# Altium PCB MB1842.PcbDoc (part 2 of 2) (continued)
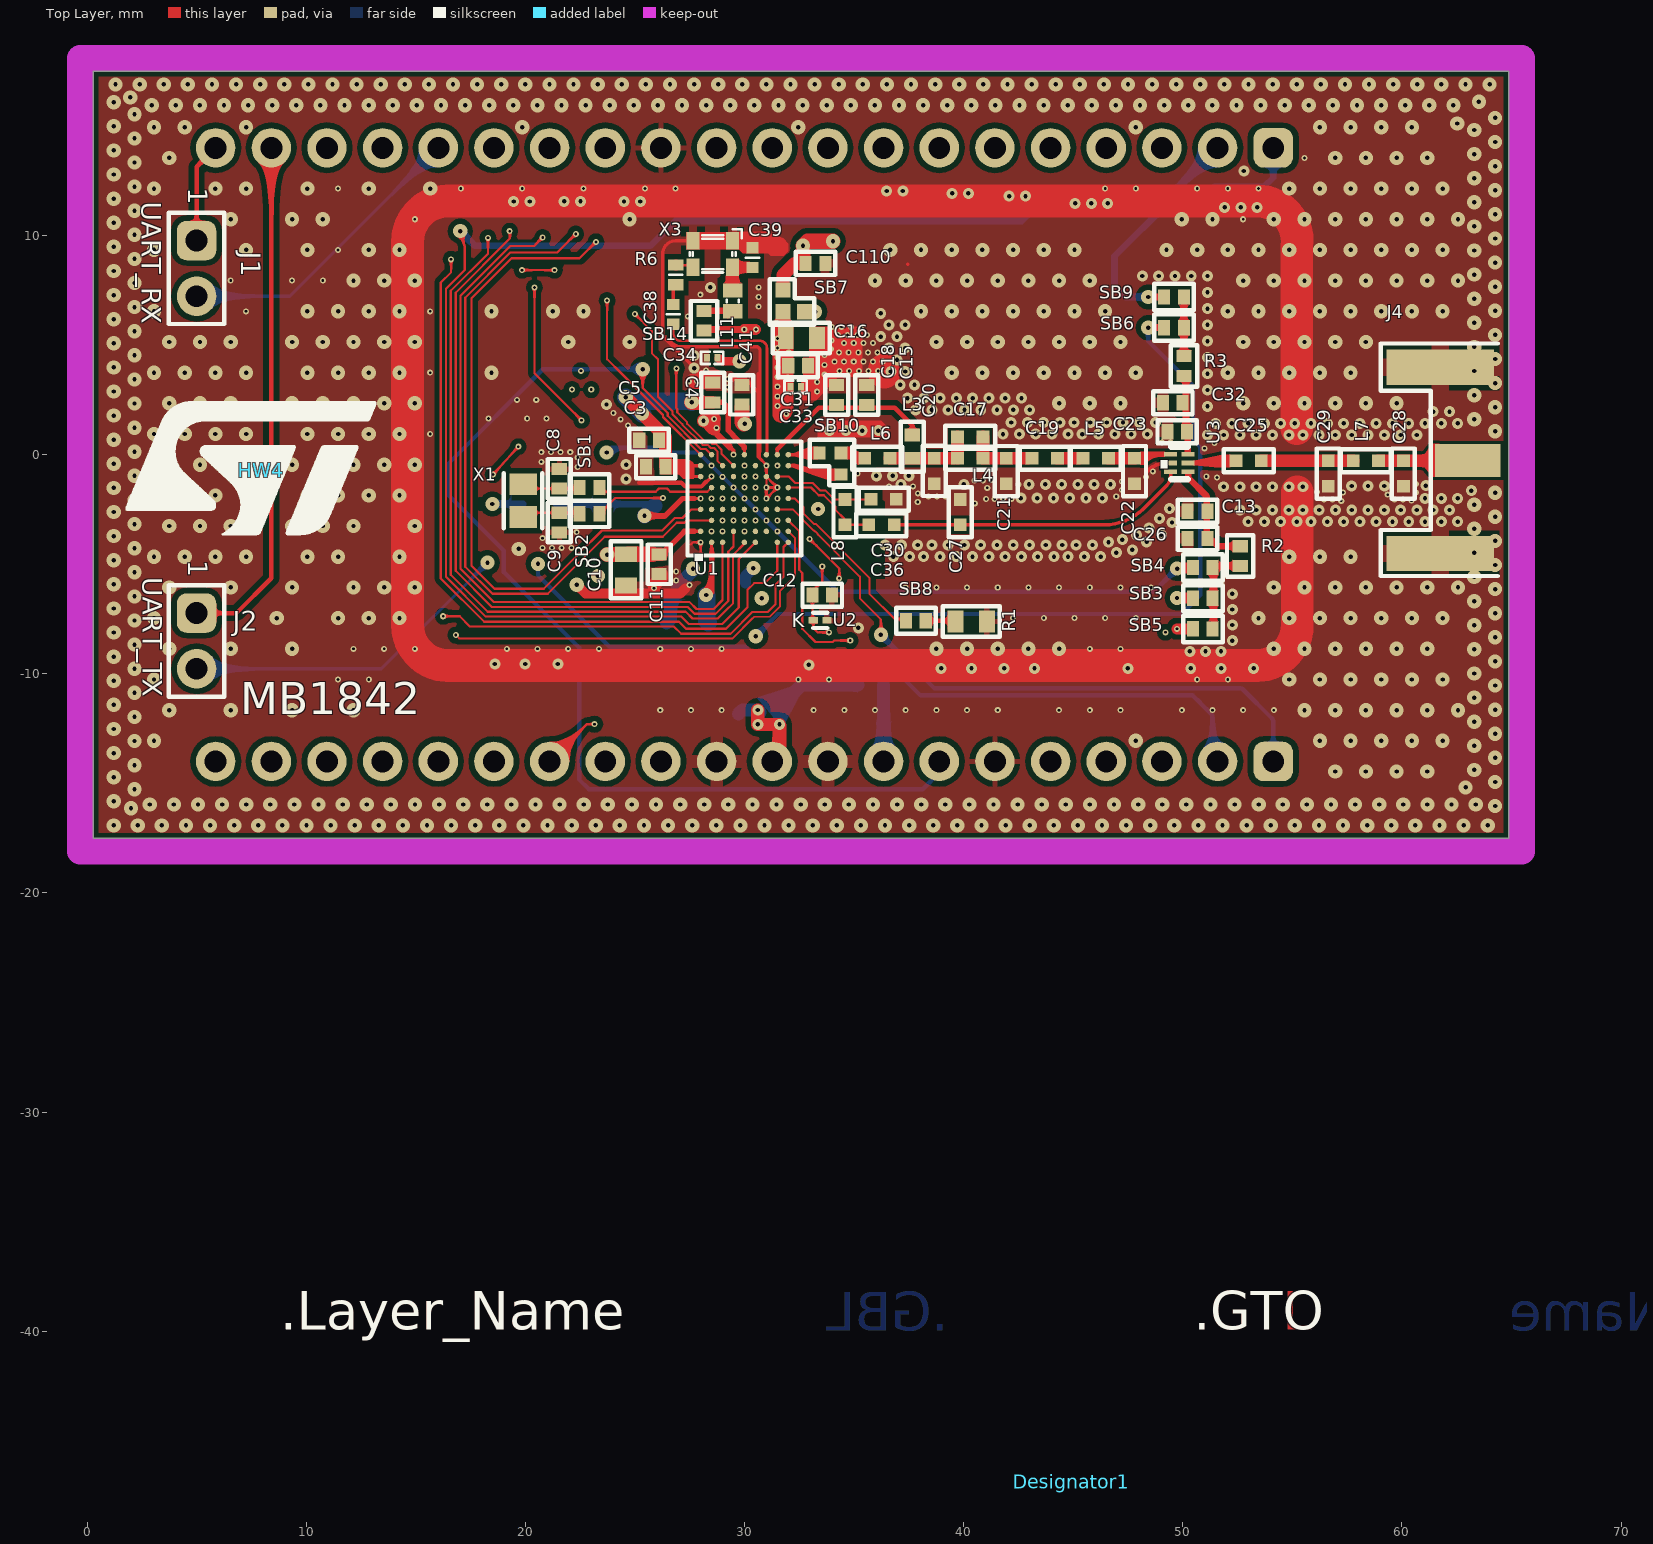
[diagram p0: Top Layer view]
## Nets (pads, with @x,y where several pads share a name; then routed paths per layer and width w, separated by ;. In a path a pad name is that pad's centre, name@x,y a point inside that pad or via, vN(x,y) a via of type N, cw(c..) or ccw(c..) an arc to the next point about the centre after c; other vN are vias at no path point) (continued)
  Bottom Layer w0.3: v1(17.028,10.201) 17.704,9.524 25.7,9.524 26.84,10.664 42.651,10.664 44.128,12.14 49.73,12.14 CN1.2@51.59,14
NetCN1_3: CN1.3 U1.D8 | length 33.9
  Top Layer w0.1: v2(26.895,3.933) 26.887,3.925 26.887,2.123 26.931,2.079 26.931,1.938 27.385,1.484 27.385,1.409 28.164,0.63 28.393,0.63 28.527,0.497 28.687,0.497 28.954,0.23 28.954,0.046 U1.D8@29.5,-0.5
  MidLayer 1 w0.1: v2(26.895,3.933) 26.895,5.073 32.364,10.542 47.566,10.542 49.05,12.026 CN1.3@49.05,14
NetCN1_4: CN1.4 U1.E7 | length 32.2
  MidLayer 1 w0.1: v2(30,-1) 29.834,-1 28.217,0.617 28.217,0.66 26.455,2.422 26.455,6.521 30.696,10.762 43.272,10.762 CN1.4@46.51,14
NetCN1_5: CN1.5 U1.E6 | length 31.7
  MidLayer 1 w0.1: v2(30,-1.5) 30,-1.434 26.419,2.147 26.235,2.331 26.235,6.771 29.901,10.437 30.452,10.988 38.058,10.988 38.06,10.99 42.963,10.99 43.907,11.934 43.907,13.937 CN1.5@43.97,14
NetCN1_6: CN1.6 U1.B8 | length 27.8
  MidLayer 1 w0.1: v2(28.5,-0.5) 27.431,0.569 27.431,0.75 26.015,2.166 26.015,6.876 30.347,11.208 37.967,11.208 37.969,11.21 40.426,11.21 41.43,12.214 CN1.6@41.43,14
NetCN1_7: CN1.7 U1.C8 | length 27.6
  Top Layer w0.09: v2(24.998,6.424) 25.78,5.642 25.78,4.63 26.055,4.355 26.055,2.651 26.716,1.99 26.716,1.849 27.17,1.395 27.17,1.362 28.088,0.445 28.317,0.445 28.45,0.312 28.611,0.312 28.769,0.153 28.769,-0.269 U1.C8@29,-0.5
  MidLayer 1 w0.09: v2(24.998,6.424) 24.998,7.576 28.845,11.423 37.878,11.423 37.88,11.425 38.114,11.425 38.89,12.201 CN1.7@38.89,14
NetCN1_8: CN1.8 U1.A9 | length 24.6
  Top Layer w0.1: v2(23.733,7.031) 23.733,4.358 24.387,3.705 26.281,1.81 26.281,1.719 U1.A9@28,0
  MidLayer 1 w0.1: v2(23.733,7.031) 28.359,11.657 29.55,11.657 29.553,11.661 34.547,11.661 36.35,13.464 CN1.8@36.35,14
NetCN1_9: CN1.9 J2.2 U1.C3 | length 59.1
  Top Layer w0.1: v2(19.85,8.42) v2(21.331,8.42)
  MidLayer 1 w0.1: v2(19.85,8.42) 19.85,5.25 19.096,4.496 19.096,-0.449 19.291,-0.644 19.291,-2.707 18.275,-3.724 v1(18.275,-4.925) 20.519,-7.169 23.36,-7.169 26.504,-4.025 27.375,-4.025 28.4,-3 v2(29,-3) ; v2(21.331,8.42) 21.9,8.989 24.955,8.989 27.844,11.877 29.459,11.877 29.462,11.881 31.74,11.881 33.81,13.951 CN1.9@33.81,14
  Bottom Layer w0.15: J2.2@5,-9.77 13.43,-9.77 v1(18.275,-4.925)
NetCN1_10: CN1.10 U1.C7 | length 28.6
  Top Layer w0.1: v2(20.418,7.624) 20.418,3.718 v2(22.567,1.569) ; U1.C7@28.987,-1.013 28.993,-1.013 v2(28.997,-1.009) U1.C7@29,-1.006
  MidLayer 1 w0.09: v2@28.997,-1.054 v2(28.997,-1.009)
  MidLayer 1 w0.1: v2(20.418,7.624) 20.418,8.22 21.423,9.225 24.596,9.225 27.468,12.097 29.367,12.097 CN1.10@31.27,14 ; v2(22.567,1.569) 23.016,1.12 24.228,1.12 24.477,0.87 24.852,0.87 24.969,0.87 25.42,0.419 25.42,0.302 26.142,-0.42 26.27,-0.42 27.125,-1.275 28.383,-1.275 28.385,-1.278 28.615,-1.278 28.617,-1.275 28.776,-1.275 v2@28.997,-1.054
NetCN1_13: CN1.13 U1.B3 | length 36.2
  Top Layer w0.1: v2(22.303,10.066) 21.462,9.225 19.32,9.225 17.262,7.167 17.262,-5.112 18.5,-6.35 21.023,-6.35 23.629,-3.744 26.279,-3.744 26.912,-3.111 27.266,-3.111 27.377,-3 U1.B3@28.5,-3
  MidLayer 1 w0.1: v2(22.303,10.066) 23.65,11.413 CN1.13@23.65,14
NetCN1_14: CN1.14 U1.C1 | length 37.2
  Top Layer w0.1: v2@20.79,9.905 20.409,9.524 19.308,9.524 17.042,7.258 17.042,-5.203 18.568,-6.729 27.499,-6.729 27.809,-7.039 28.593,-7.039 29,-6.632 U1.C1@29,-4
  MidLayer 1 w0.1: v2(20.792,9.908) 20.792,13.682 CN1.14@21.11,14 CN1.14@21.11,13.835
NetCN1_15: CN1.15 U1.D2 | length 37.4
  Top Layer w0.1: v2@19.297,10.164 19.297,9.864 16.822,7.389 16.822,-5.303 18.468,-6.949 27.408,-6.949 27.718,-7.259 28.684,-7.259 29.264,-6.68 29.264,-4.431 29.5,-4.195 U1.D2@29.5,-3.5
  MidLayer 1 w0.1: CN1.15@18.57,14 18.877,13.693 18.877,10.609 v2(19.289,10.197)
NetCN1_16: CN1.16 J1.2 U1.E1 | length 52.1
  Top Layer w0.1: CN1.16@15.909,13.879 CN1.16@16.03,14 ; v2(18.295,9.897) 18.295,9.173 16.602,7.48 16.602,-5.483 18.288,-7.169 27.317,-7.169 27.627,-7.479 28.775,-7.479 29.158,-7.096 29.162,-7.096 29.484,-6.775 29.484,-4.566 U1.E1@30,-4.05
  MidLayer 1 w0.1: CN1.16@16.03,14 18.011,12.019 18.011,10.181 v2(18.295,9.897)
  Bottom Layer w0.15: J1.2@5,7.23 9.26,7.23 CN1.16@16.03,14
NetCN1_17: CN1.17 U1.H1 | length 40.3
  Top Layer w0.1: v2@16.616,8.911 16.616,8.33 16.144,7.859 16.144,-5.648 18.123,-7.626 27.012,-7.626 27.334,-7.948 29.157,-7.948 30.14,-6.965 30.14,-6.165 30.444,-5.861 30.933,-5.861 31.5,-5.294 U1.H1@31.5,-4
  MidLayer 1 w0.1: CN1.17@13.49,14 13.49,13.287 13.59,13.187 13.59,12.954 15.959,10.584 15.959,9.568 v2(16.614,8.914)
NetCN1_18: CN1.18 U1.A4 | length 48.5
  Top Layer w0.1: v2(23.221,9.708) 22.475,8.962 19.368,8.962 17.541,7.134 17.541,-5.067 17.778,-5.305 ccw(c18.275,-4.925) 17.895,-5.422 18.596,-6.122 20.84,-6.122 22.35,-4.613 ccw(c22.103,-4.252) 22.464,-4.498 23.504,-3.459 26.252,-3.459 26.82,-2.891 27.175,-2.891 27.565,-2.5 U1.A4@28,-2.5
  MidLayer 1 w0.1: CN1.18@10.95,14 10.805,13.855 10.805,11.771 11.431,11.146 13.837,11.146 14.986,9.997 14.986,9.489 16.38,8.095 18.596,8.095 19.955,9.453 22.966,9.453 v2(23.221,9.708) v2@23.222,9.706
NetCN1_19: CN1.19 J2.1 | length 23.7
  Top Layer w0.2: J2.1@5,-7.23 6.822,-7.23 8.41,-5.642 CN1.19@8.41,14
NetCN1_20: CN1.20 J1.1 | length 4.6
  Top Layer w0.2: J1.1@5,9.77 5,13.13 CN1.20@5.87,14
NetCN2_1: CN2.1 U1.H4 | length 29.5
  Top Layer w0.09: U1.H4@31.5,-2.5 32.208,-2.5 33.171,-3.463 cw(c32.975,-3.848) 33.36,-3.652 35.269,-5.561 35.269,-6.562 36.227,-7.52 v1(36.227,-8.22)
  Bottom Layer w0.2: v1(36.227,-8.22) 38.673,-10.666 52.62,-10.666 cw(c52.62,-10.866) 52.762,-10.725 54.071,-12.034 cw(c53.93,-12.176) 54.13,-12.176 CN2.1@54.13,-14
NetCN2_2: CN2.2 U1.E5 | length 46.8
  MidLayer 1 w0.1: v1(20.578,-4.985) 22.082,-4.985 23.4,-3.667 27.333,-3.667 28.3,-2.7 29.3,-2.7 v2(30,-2)
  Bottom Layer w0.2: v1(20.578,-4.985) 20.578,-5.507 23.838,-8.768 30.042,-8.768 30.235,-8.96 36.011,-8.96 38.036,-10.986 50.459,-10.986 50.799,-11.326 cw(c50.658,-11.468) 50.8,-11.327 51.301,-11.828 cw(c51.16,-11.969) 51.36,-11.969 51.36,-13.77 CN2.2@51.59,-14
NetCN2_3: CN2.3 SB5.1 | length 7.3
  Top Layer w0.5: v2(49.738,-7.945) 50.461,-7.945 SB5.1@50.467,-7.952
  MidLayer 1 w0.3: CN2.3@49.05,-14 49.05,-8.263
  MidLayer 1 w0.4: 49.05,-8.263 v2(49.209,-8.104) 49.368,-7.945 v2(49.738,-7.945)
NetCN2_4: CN2.4 U1.J3 | length 23.5
  Top Layer w0.1: U1.J3@32,-3 32.5,-3.5 32.5,-3.738 ; 32.501,-3.739 32.501,-5.258 32.642,-5.399 32.642,-7.946 33.241,-8.545 33.672,-8.545 34.034,-8.545 34.098,-8.482 v2(34.828,-8.482)
  MidLayer 1 w0.1: v2(34.828,-8.482) 34.828,-9.481 36.03,-10.683 45.433,-10.683 46.51,-11.76 CN2.4@46.51,-14
NetCN2_7: CN2.7 U1.B9 | length 50.4
  Top Layer w0.1: v1(25.359,3.901) 25.359,3.044 26.501,1.901 26.501,1.77 28.011,0.26 28.24,0.26 U1.B9@28.5,0
  Bottom Layer w0.2: v1(25.359,3.901) 23.241,3.901 20.799,3.901 16.468,-0.43 16.468,-1.83 19.025,-4.387 19.025,-5.37 22.456,-8.801 22.456,-14.823 22.902,-15.27 38.137,-15.27 38.904,-14.503 38.88,-14.48 38.88,-14.09 38.89,-14.08 CN2.7@38.89,-14
NetCN2_12: CN2.12 U1.D6 | length 56.4
  Top Layer w0.1: v2(18.529,-0.906) v2(19.681,0.365)
  MidLayer 1 w0.1: v2(18.529,-0.906) 16.174,-0.906 4.066,-13.014 4.066,-14.12 5.016,-15.07 25.079,-15.07 ccw(c25.079,-14.97) 25.15,-15.04 CN2.12@26.19,-14 ; v2(19.681,0.365) 20.216,0.9 24.127,0.9 24.377,0.65 24.878,0.65 25.2,0.328 25.2,0.269 25.2,0.197 26.037,-0.64 26.109,-0.64 26.126,-0.64 26.961,-1.475 29.475,-1.475 v2(29.5,-1.5)
NetCN2_13: CN2.13 U1.F4 | length 20.8
  Top Layer w0.1: v2(32.975,-3.848) 34.323,-5.197 v2(34.323,-5.64)
  MidLayer 1 w0.1: CN2.13@23.65,-14 23.65,-12.7 26.05,-10.3 30.873,-10.3 34.223,-6.949 34.223,-5.74 ; v2(30.5,-2.5) 30.65,-2.65 31.776,-2.65 v2(32.975,-3.848)
NetCN2_14: CN2.14 U1.H3 | length 19.9
  Top Layer w0.09: CN2.14@21.163,-13.947 22.818,-12.292 23.157,-12.292 v2(23.157,-12.298)
  MidLayer 1 w0.1: v2(23.157,-12.298) 23.684,-12.298 25.955,-10.026 30.836,-10.026 33.074,-7.788 33.074,-4.574 v2(31.5,-3)
NetCN2_15: CN2.15 U1.H2 | length 21.6
  MidLayer 1 w0.1: CN2.15@18.57,-14 20.71,-11.86 23.726,-11.86 25.826,-9.76 30.786,-9.76 32.746,-7.799 32.746,-4.746 31.853,-3.853 v2(31.5,-3.5)
NetCN2_16: CN2.16 U1.G3 | length 24.4
  MidLayer 1 w0.1: CN2.16@16.03,-14 18.797,-11.233 23.933,-11.233 25.712,-9.454 30.78,-9.454 32.526,-7.708 32.526,-4.938 31,-3.412 v2(31,-3)
NetCN2_17: CN2.17 U1.D3 | length 23.2
  MidLayer 1 w0.1: CN2.17@13.49,-14 16.6,-10.89 22.476,-10.89 24.966,-8.4 28.55,-8.4 29.1,-7.85 29.1,-4 29.35,-3.75 29.35,-3.4 29.5,-3.25 v2(29.5,-3)
NetCN2_18: CN2.18 U1.C2 | length 24.8
  MidLayer 1 w0.1: CN2.18@10.95,-14 14.529,-10.421 22.563,-10.421 24.854,-8.13 28.45,-8.13 28.85,-7.73 28.85,-3.85 29,-3.7 v2(29,-3.5)
NetCN2_19: CN2.19 U1.J1 | length 34.2
  Top Layer w0.1: v2(16.253,-7.373) 17.006,-7.373 17.48,-7.846 26.788,-7.846 27.11,-8.168 29.369,-8.168 30.356,-7.181 31.057,-7.181 31.416,-6.822 31.416,-5.942 31.784,-5.574 31.784,-4.216 U1.J1@32,-4
  MidLayer 1 w0.1: CN2.19@8.41,-14 12.781,-9.629 17.474,-9.629 18.195,-8.908 18.195,-7.792 17.777,-7.373 v2(16.253,-7.373)
NetCN2_20: CN2.20 U1.J2 | length 32.7
  Top Layer w0.09: v2(16.828,-8.234) 16.977,-8.383 29.458,-8.383 30.367,-7.475 30.369,-7.475 30.447,-7.396 31.146,-7.396 31.631,-6.911 31.631,-6.212 32.316,-5.527 32.316,-3.816 U1.J2@32,-3.5
  MidLayer 1 w0.1: CN2.20@5.87,-14 11.646,-8.224 16.818,-8.224 v2(16.828,-8.234)
NetL2_2: L2.2 U1.B1 | length 3.9
  Top Layer w0.15: 28.5,-4.3 U1.B1@28.5,-4
  Top Layer w0.21: 28.5,-4.475 28.5,-4.3
  Top Layer w0.25: v1(28.25,-6.406) 28.375,-6.406 28.5,-6.281 28.5,-4.475
  Bottom Layer w0.8: v1(28.25,-6.406) 28.274,-6.43 28.274,-7.588 L2.2@28.354,-7.668
NetL6_2: L6.2 SB10.2
NetL11_2: L11.2 SB14.1 | length 1.9
  Top Layer w0.2: SB14.1@28.25,6.467 SB14.1@28.157,6.56 28.169,6.571 SB14.1@28.265,6.667 ; L11.2@29.238,6.319 L11.2@29.463,6.544
  Top Layer w0.3: SB14.1@28.157,6.571 28.169,6.571 L11.2@29.463,6.571
NetR1_2: R1.2 SB8.1 | length 1.4
  Top Layer w0.2: SB8.1@38.272,-7.578 39.606,-7.578 R1.2@39.637,-7.609
NetR2_2: R2.2 SB3.2 SB4.2 SB5.2 | length 4.1
  Top Layer w0.3: SB5.2@51.367,-7.952 51.407,-7.912 SB4.2@51.407,-5.152 ; SB4.2@51.367,-5.152 51.441,-5.078 R2.2@52.618,-5.078
NetR3_2: R3.2 SB6.2 SB9.2 | length 2.7
  Top Layer w0.3: SB9.2@50.05,7.195 SB6.2@50.05,5.794 50.056,5.789 R3.2@50.056,4.494
NetR6_1: R6.1 X3.3 | length 0.8
  Top Layer w0.12: R6.1@26.871,8.649 X3.3@27.599,8.649
  Top Layer w0.5: R6.1@26.866,8.654 R6.1@26.871,8.649 ; X3.3@27.599,8.649 27.649,8.599 X3.3@27.649,8.56
NetSB1_1: SB1.1 U1.B6 | length 5.2
  Top Layer w0.1: SB1.1@23.55,-1.669 23.577,-1.695 25.954,-1.695 26.104,-1.545 26.466,-1.545 26.616,-1.695 28.305,-1.695 U1.B6@28.5,-1.5
NetSB2_1: SB2.1 U1.C5 | length 6.4
  Top Layer w0.1: SB2.1@23.381,-2.7 24.1,-1.981 26.283,-1.981 v2(26.285,-1.983)
  MidLayer 1 w0.1: v2(26.285,-1.983) 27.229,-1.983 27.631,-2.385 28.847,-2.385 28.975,-2.256 28.975,-2.025 v2(29,-2)
NetSB4_1: SB4.1 U1.D5 | length 36.8
  Top Layer w0.5: v1(49.742,-5.197) 49.765,-5.175 50.406,-5.175 SB4.1@50.429,-5.152
  MidLayer 1 w0.1: v1(23.711,0.1) 23.927,0.317 24.77,0.317 25.946,-0.86 26.035,-0.86 26.87,-1.695 27.044,-1.695 27.048,-1.699 29.199,-1.699 v2(29.5,-2)
  Bottom Layer w0.2: v1(23.711,0.1) 23.927,0.317 25.88,0.317 26.097,0.1 27.9,0.1 32.247,-4.247 34.254,-6.254 48.685,-6.254 v1(49.742,-5.197)
NetSB6_1: SB6.1 U1.F3 | length 59.8
  Top Layer w0.3: v1@48.415,5.807 v1(48.427,5.794) SB6.1@49.15,5.794
  MidLayer 1 w0.1: v2(30.5,-3) 30.797,-3.297 30.797,-3.59 31.784,-4.576 31.784,-7.016 v1(30.515,-8.285)
  Bottom Layer w0.2: v1(30.515,-8.285) 31.528,-7.272 ; v1(48.427,5.794) 48.427,5.188 50.493,3.123 50.493,0.643 50.807,0.328 50.807,-6.402 50.413,-6.796 50.413,-6.82 50.018,-7.215 49.994,-7.215 49.937,-7.272 ; 31.528,-7.272 49.937,-7.272 ; 31.528,-7.272 49.937,-7.272
NetSB8_2: SB8.2 U1.J5 | length 8.3
  Top Layer w0.09: U1.J5@32,-2 32.3,-2 32.7,-2.4 32.7,-2.695 33.164,-3.159 33.244,-3.159 35.703,-5.618 35.703,-6.336 36.865,-7.499 37.293,-7.499 SB8.2@37.372,-7.578
NetSB10_1: SB10.1 U1.J8 | length 0.2
  Top Layer w0.17: U1.J8@32,-0.5 32.195,-0.5
NetSB10_3: SB10.3 U1.J9 | length 0.5
  Top Layer w0.15: U1.J9@32,0 32.5,0
OSC_IN: C38.2 U1.G9 | length 9.9
  Top Layer w0.12: C38.2@26.751,5.949 26.751,5.562 ccw(c27.129,5.562) 27.021,5.199 30.694,5.199 cw(c30.694,4.867) 31.026,4.867 31.026,0.026 U1.G9@31,0
PB0_VDD_TCXO: SB14.2 U1.F6 | length 10.5
  Top Layer w0.3: SB14.2@28.306,5.711 v2(29.991,5.711)
  Top Layer w0.4: SB14.2@28.121,5.659 28.14,5.677 SB14.2@28.157,5.66
  Top Layer w0.5: v2@29.991,5.704 v2@30.495,5.704
  MidLayer 1 w0.1: v2(30.5,-1.5) 30.844,-1.156 30.844,-0.85 30.722,-0.728
  MidLayer 1 w0.15: 30.722,-0.728 30.632,-0.638 30.632,-0.031 30.964,0.302
  MidLayer 1 w0.2: 30.541,5.491 31.017,5.015 31.017,1.576 31.081,1.512 31.081,1.504 31.089,1.504 31.089,0.427 30.964,0.302
  MidLayer 1 w0.5: v2@29.965,5.705 v2@30.541,5.705
  other v2: 30.522,5.711
RFI_N: C30.2 L8.2 U1.H7 | length 4.7
  Top Layer w0.1: U1.H7@31.5,-1 32.027,-1 32.316,-1.289 33.12,-1.289 33.472,-1.641 33.705,-1.641 34.104,-2.04 L8.2@34.586,-2.04 C30.2@35.771,-2.04
RFI_P: C36.1 L8.1 U1.J6 | length 4.6
  Top Layer w0.1: U1.J6@32,-1.5 33.033,-1.5 33.385,-1.852 33.618,-1.852 34.145,-2.38 34.145,-2.513 34.586,-2.954 L8.1@34.586,-3.2 C36.1@35.67,-3.2
VDD: C1.2 C2.2 C3.2 C4.2 C5.2 C35.1 C37.1 CN2.10 L1.1 SB11.2 U1.A7 U1.A8 U1.E2 U1.E9 U1.H5 | length 27.9
  Top Layer w0.15: 27.7,-1 U1.A7@28,-1 ; 27.7,-0.5 U1.A8@28,-0.5 ; U1.E9@30,0 30,0.3
  Top Layer w0.25: C4.2@28.559,2.384 29.016,2.384 29.258,2.142 29.258,1.115 29.46,0.913 29.46,0.899 30,0.359 30,0.3
  Top Layer w0.5: v1(27.593,2.397) v1@27.6,2.391
  Top Layer w0.55: 27.982,2.391 C4.2@28.553,2.391
  Top Layer w0.6: v1(24.579,2.628) 24.579,2.623 v1(25.328,1.874) 26.4,0.802 C3.2@26.4,-0.55 ; v3(30.609,-11.651) v3(30.609,-12.309) v3(31.6,-12.309) 31.6,-14 CN2.10@31.27,-14
  Top Layer w0.7: v1@27.595,2.389 27.982,2.389
  MidLayer 1 w0.1: v1@33.334,-2.502 v1(33.359,-2.477)
  MidLayer 1 w0.2: v2(31.5,-2) 31.926,-2 32.121,-2.195
  MidLayer 1 w0.25: v2(30,-3.5) 30.109,-3.609 30.109,-4.875 v1(30.409,-5.175)
  MidLayer 1 w0.3: 32.121,-2.195 32.428,-2.502 v1@33.334,-2.502
  Bottom Layer w0.25: C2.2@30,-5.9 C2.2@30.054,-5.846
  Bottom Layer w0.3: v1(18.5,-2.25) L1.1@19.9,-2.25
  Bottom Layer w0.5: C2.2@30.054,-5.846 30.054,-5.529 v1(30.409,-5.175)
  Bottom Layer w0.6: C37.1@29.726,-11.83 29.905,-11.651 v3(30.609,-11.651) v3@30.713,-11.755 ; v3(31.6,-12.309) 31.6,-11.516 32.611,-10.505 SB11.2@35.17,-10.505
  Bottom Layer w0.8: v1(24.579,2.628) v1@25.357,1.851 ; 25.328,2.446 27.545,2.446 v1(27.593,2.397)
VDDPA: C16.1 C31.1 C33.2 SB7.2 U1.H8 | length 2.7
  MidLayer 1 w0.4: v2(31.5,-0.5) 31.5,1.321 31.509,1.33 31.509,1.678 31.5,1.688 31.5,2.214 v2(31.505,2.219)
  other v2: 31.911,1.863 31.505,2.66 31.505,3.101 31.976,3.516 31.505,3.542 31.505,3.983 31.505,4.423 32.022,4.664 31.505,4.864 31.505,5.305 32.043,5.961 31.451,6.001
VDDRF: C10.1 C11.1 C24.1 C41.1 C110.1 CN2.8 SB3.1 SB7.3 SB11.1 U1.A2 U1.E8 | length 77
  Top Layer w0.15: 27.7,-3.5 U1.A2@28,-3.5
  Top Layer w0.25: C11.1@26.204,-4.552 27.256,-3.5 27.7,-3.5
  Top Layer w0.5: v1(49.738,-6.54) SB3.1@50.41,-6.54
  Top Layer w0.6: C11.1@25.816,-4.547 26.2,-4.547 C11.1@26.204,-4.552 ; SB7.3@31.756,7.588 31.756,8.188 ; 31.762,8.204 32.284,8.726 C110.1@32.659,8.726
  Top Layer w0.7: v1(23.744,-4.559) 24.687,-4.559 24.704,-4.542 25.811,-4.542 C11.1@25.816,-4.547 ; C41.1@29.885,2.15 29.885,1.478 v1@29.958,1.405 ; C110.1@32.659,8.726 v1@32.659,9.245 ; v1(32.67,9.531) 32.875,9.737 v1(34.041,9.737)
  MidLayer 1 w0.25: v1@29.958,1.405 30,1.363 v2(30,-0.5)
  MidLayer 2 w0.7: v1(32.67,9.531) 33.462,9.531 ; v1@33.835,9.531 v1(34.041,9.737)
  MidLayer 2 w1: 36.35,-11.866 37.001,-11.215 44.137,-11.215 48.812,-6.54 v1(49.738,-6.54)
  MidLayer 2 w1.1: 29,-4.247 29,-5.555 29.425,-5.98 29.425,-6.892
  MidLayer 2 w1.2: v1@23.524,-5.649 25.501,-7.626 28.691,-7.626 29.425,-6.892 ; v1@23.744,-4.601 24.341,-5.198 24.006,-5.533
  MidLayer 2 w1.5: 33.622,8.376 34.648,7.351 34.648,5.931 34.041,5.324
  MidLayer 2 w1.7: 29,-4.247 29,-3.367 30.458,-1.909 30.458,0.032 31.026,0.6 32.447,0.6 34.873,-1.827 34.873,-3.92 33.803,-4.991 33.803,-8.547 34.288,-9.033 34.288,-9.804 36.35,-11.866 CN2.8@36.35,-14 ; 33.962,5.111 34.041,5.19 34.041,5.324
  MidLayer 2 w2: 31.026,0.6 32.438,2.012 32.438,3.587 33.962,5.111
  Bottom Layer w0.6: SB11.1@36.339,-10.504 36.339,-11.8 36.369,-11.83 36.35,-11.849 CN2.8@36.35,-14
  other v1: 23.312,-5.533 30.008,1.405
VDDRF1V55: C14.1 C34.2 CN1.11 L2.1 SB7.1 U1.B2 U1.F7 | length 37.2
  Top Layer w0.25: v1@27.573,-5.287 v1(27.65,-5.21)
  Top Layer w0.4: C34.2@28.838,4.388 28.881,4.345 ccw(c29.089,4.553) 29.089,4.259 v1(29.769,4.259) v1@29.769,4.191
  MidLayer 1 w0.2: v1(29.769,4.259) 30.697,3.33 30.697,1.444 30.761,1.38 30.761,1.372 30.769,1.364 30.769,0.664 30.328,0.222 30.328,-0.636 30.296,-0.667 30.296,-0.796 v2(30.5,-1)
  MidLayer 1 w0.25: v1(27.65,-5.21) 27.65,-5.059 28.5,-4.209 v2(28.5,-3.5)
  MidLayer 2 w0.8: v1(27.65,-5.21) 27.65,-2.822 29.118,-1.354 29.118,0.917 29.033,1.002 29.033,1.808 29.604,2.38 29.682,2.38 29.769,2.466 v1(29.769,4.259) ; CN1.11@28.73,14 28.73,11.438 29.769,10.399 v1(29.769,4.259) ; v1(33.223,6.521) 30.96,4.259 v1(29.769,4.259)
  Bottom Layer w0.25: v1(27.65,-5.21) v1@27.656,-5.216
  Bottom Layer w0.6: L2.1@26.449,-7.668 26.629,-7.488 26.629,-6.584 26.95,-6.262 C14.1@26.95,-6.125 26.95,-5.987 27.64,-5.297 27.64,-5.22 v1(27.65,-5.21)
pads on no net: Designator1.1 U1.B4 U1.C4 U1.C6 U1.D4 U1.D7 U1.E4 U1.F2 U1.F8 U1.G2 U1.G4
copper on no net:
  other v2: 22.128,2.971 23.009,2.971 22.541,3.824

## Polygon pours and split planes (outlines as drawn)
VDD on MidLayer 2 "MIDLAYER_2_VDD_P026" (solid, remove dead copper, pour order 26): 30.079,-15.416 32.404,-15.416 32.739,-15.081 32.739,-4.938 33.262,-3.676 cw(c34.458,-4.171) 33.542,-3.256 ccw(c33.043,-2.757) 33.749,-2.757 33.749,-2.299 ccw(c33.551,-2.299) 33.551,-2.1 27.909,-2.1 27.909,2.441 ccw(c27.108,2.441) 27.286,3.222 26.652,3.365 ccw(c26.058,0.75) 25.031,3.228 20.758,1.458 ccw(c22.43,-2.58) 19.339,0.51 16.852,-1.977 ccw(c17.371,-2.495) 16.638,-2.495 16.638,-5.453 ccw(c17.345,-5.453) 16.845,-5.953 22.344,-11.452 ccw(c22.955,-10.841) 22.955,-11.705 27.995,-11.705 cw(c27.995,-12.972) 28.891,-12.076 29.455,-12.64 cw(c28.693,-13.402) 29.77,-13.402 29.77,-15.107
GND on MidLayer 2 "MIDLAYER_2_GND_P027" (solid, remove dead copper, pour order 27): 64.868,17.416 64.868,-17.511 0,-17.511 0,17.49
VDD on Bottom Layer "VDD_L-01_P-001" (solid, pour order 28): 29.351,-9.907 30.293,-9.907 32.667,-12.281 32.667,-13.385 32.667,-15.22 29.872,-15.22 29.872,-12.792 29.35,-12.269
GND on Bottom Layer "BOTTOM_LAYER_GND_P029" (solid, remove dead copper, pour order 29): -0.02,-17.435 -0.02,17.489 64.868,17.489 64.868,-17.511
GND on MidLayer 1 "MIDLAYER_1_GND_P025" (solid, remove dead copper, pour order 25): -0.02,-17.435 -0.02,17.489 64.868,17.489 64.868,-17.511
GND on Top Layer "TOP_LAYER_GND_P024" (solid, remove dead copper, pour order 24): 0,-17.435 0,17.489 64.868,17.489 64.868,-17.511

## Keep-outs
Keep-Out Layer:
  lines w1.2: -0.315,-18.109 65.472,-18.109 65.472,18.095 -0.315,18.095 -0.315,-18.109

## Other copper
Top Layer:
  rectangle net GND: 27.337,9.351 29.759,10.171
  region net VDD: 26.182,-0.202 27.203,-0.202 cw(c27.203,-0.905) 27.637,-0.352 cw(c27.535,-0.483) 27.7,-0.483 27.7,-1.049 cw(c27.646,-1.049) 27.646,-1.103 27.263,-1.103 cw(c27.263,-0.973) 27.172,-1.065 27.047,-0.94 ccw(c26.951,-1.035) 26.951,-0.9 26.182,-0.9
  region net VDDPA: 31.91,1.555 cw(c31.663,1.833) 31.291,1.834 31.291,2.934 31.291,3.836 31.291,4.171 31.291,5.13 31.291,6.075 31.522,6.306 31.98,6.306 32.237,6.049 32.237,2.195 cw(c31.433,2.203)
  region net NetC22_2: 48.054,-0.454 48.217,-0.452 cw(c49.114,-1.382) 49.18,-0.091 49.18,0.131 48.054,0.131
  region net GND: 28.232,3.005 27.777,3.005 27.711,3.071 27.711,3.606 27.967,3.862 28.744,3.862 cw(c28.744,3.701) 28.905,3.701 28.905,3.007
  region net NetL6_2: 34.693,-0.215 34.863,-0.215 35.18,-0.454 35.222,-0.454 35.222,0.128 35.18,0.128 34.864,0.367 34.693,0.367
  pour cut-out: 52.376,0.158 58.907,0.158 58.907,-0.724 52.368,-0.724
  pour cut-out: 43.122,0.277 46.12,0.277 46.12,-0.605 43.114,-0.605
  pour cut-out: 35.868,0.277 36.915,0.277 36.915,-0.605 35.86,-0.605
  pour cut-out: 19.72,-0.941 21.884,-0.941 21.884,-3.265 19.72,-3.265
  region net NetC28_1: 61.705,0.489 61.396,0.489 61.025,0.005 61.025,-0.562 61.393,-1.008 61.705,-1.008
  pour cut-out: 39.729,1.242 40.95,1.242 40.95,-0.605 39.712,-0.605
  pour cut-out: 32.5,-1.473 35.615,-1.473 36.421,-2.152 36.421,-5.675 34.664,-5.675 32.5,-3.511
  region net NetC25_1: 52.17,-0.576 51.433,-0.576 50.484,-0.491 50.485,-0.269 51.785,0.006 52.17,0.006
  region net NetSB10_3: 33.349,0.367 32.983,0.367 32.246,0.073 32.246,-0.073 32.829,-0.215 33.349,-0.215
  region net NetSB10_1: 34.143,-0.632 33.164,-0.632 32.319,-0.414 32.162,-0.415 32.162,-0.585 33.169,-0.94 33.912,-1.182 34.143,-1.182
  region net GND: 29.443,10.171 31.035,10.171 31.771,9.866 32.004,9.633 32.004,9.293 31.785,9.074 31.209,9.074 31.082,9.202 29.919,9.202 29.45,9.671
  region net GND: 32.588,2.487 32.588,3.29 32.678,3.394 32.678,4.414 32.947,4.414 32.947,5.835 35.375,5.835 35.375,3.572 34.206,3.487 33.276,2.487
  region net GND: 33.876,1.544 36.247,1.544 36.607,1.184 36.607,0.802 33.352,0.802 33.352,1.02
MidLayer 1:
  region net VDDPA: 31.281,6.24 32.125,6.24 32.265,6.101 32.265,3.011 cw(c25.634,3.335) 31.336,-0.065 31.336,5.095 31.131,5.638 31.131,6.09
  region net VDD: 33.22,-2.776 32.654,-2.521 32.654,-2.425 ccw(c31.826,0.758) 33.224,-2.219
  region net NetCN1_9: 18.534,-4.76 18.754,-5.34 18.686,-5.409 ccw(c17.021,-8.245) 18.137,-5.151
  region net VDDRF1V55: 27.489,-4.929 27.993,-4.566 28.077,-4.614 ccw(c31.247,-5.488) 27.97,-5.211
  pour cut-out: 41.53,1.684 41.53,0.647 48.676,0.647 48.676,-0.425 48.055,-1.047 39.067,-1.057 39.067,1.684
  pour cut-out: 51.657,0.595 61.189,0.595 61.621,1.082 64.868,1.082 64.868,-1.604 61.625,-1.604 61.19,-1.17 51.651,-1.17
MidLayer 2:
  region net VDDRF: 34.743,7.163 33.944,7.163 32.412,8.98 cw(c32.881,9.376) 32.267,9.376 32.267,9.754 cw(c32.672,9.754) 32.672,10.158 34.325,10.158 cw(c34.325,9.74) 34.743,9.74 34.743,7.782
  region net VDDRF: 36.44,-12.95 36.44,-10.718 35.523,-10.718
  region net VDDRF: 36.44,-12.95 36.44,-10.718 37.357,-10.718
  region net VDDRF1V55: 31.785,4.77 29.376,4.77 29.376,2.585
Bottom Layer:
  region net NetCN2_7: 25.341,4.223 25.383,3.583 25.321,3.582 cw(c25.318,4.135) 24.927,3.744 24.767,3.904 24.935,4.071 cw(c25.301,3.704) 25.301,4.223
  region net VDD: 32.855,-10.349 31.146,-11.784 30.556,-11.081
  region net VDD: 32.855,-10.349 31.146,-11.784 31.735,-12.486

## Silkscreen, mask and mechanical layers (free items; w line width, h text height)
Top Overlay:
  lines w0.1: 33.823,-1.354 33.823,-1.314 ; 35.876,-2.663 36.678,-2.663 37.142,-2.663
  text "UART_RX" at 2.2,11.55 h1.5 r270
  text "UART_TX" at 2.25,-5.6 h1.5 r270
  text "MB1842" at 6.995,-12.322 h2.5
Bottom Overlay:
  text "MB1842" at 16.504,-10.934 h2.5
Top Solder:
  lines w1.5: 55.203,1.326 55.203,9.519 ; 55.225,-7.823 55.225,-1.746 ; 55.228,-7.775 cw(c53.378,-7.775) 53.378,-9.625 16.478,-9.625 cw(c16.478,-7.775) 14.628,-7.775 14.628,9.725 cw(c16.478,9.725) 16.478,11.575 53.378,11.575 cw(c53.378,9.725) 55.228,9.725
M1-Board Shape:
  lines w0.3: 61.632,17.489 61.645,17.477 ; 0.296,-17.511 64.868,-17.511 64.868,17.489 0.296,17.489 0.296,-17.511
Drill Drawing:
  drawing of 330 lines, arcs and shapes, not listed
  text "Layer" at 0.896,150.603 h1.45
  text "Name" at 10.797,150.603 h1.45
  text "Material" at 33.219,150.603 h1.45
  text "Thickness" at 53.957,150.603 h1.45
  text "Constant" at 69.637,150.603 h1.45
  text "Board Layer Stack" at 83.39,150.603 h1.45
  text "Top Overlay" at 10.797,147.712 h1.45
  text "Top Solder" at 10.797,144.822 h1.45
  text "Solder Resist" at 33.219,144.822 h1.45
  text "2.01mil" at 53.957,144.822 h1.45
  text "3.7" at 69.637,144.822 h1.45
  text "1" at 0.896,141.931 h1.45
  text "Top Layer" at 10.797,141.931 h1.45
  text "1.38mil" at 53.957,141.931 h1.45
  text "Dielectric 1" at 10.797,139.04 h1.45
  text "1 x 2116" at 33.219,139.04 h1.45
  text "4.25mil" at 53.957,139.04 h1.45
  text "3.8" at 69.637,139.04 h1.45
  text "2" at 0.896,136.15 h1.45
  text "MidLayer 1" at 10.797,136.15 h1.45
  text "1.38mil" at 53.957,136.15 h1.45
  text "Dielectric 2" at 10.797,133.259 h1.45
  text "FR4" at 33.219,133.259 h1.45
  text "27.95mil" at 53.957,133.259 h1.45
  text "5" at 69.637,133.259 h1.45
  text "3" at 0.896,130.368 h1.45
  text "MidLayer 2" at 10.797,130.368 h1.45
  text "1.38mil" at 53.957,130.368 h1.45
  text "Dielectric 3" at 10.797,127.478 h1.45
  text "1 x 2116" at 33.219,127.478 h1.45
  text "4.25mil" at 53.957,127.478 h1.45
  text "3.8" at 69.637,127.478 h1.45
  text "4" at 0.896,124.587 h1.45
  text "Bottom Layer" at 10.797,124.587 h1.45
  text "1.38mil" at 53.957,124.587 h1.45
  text "Bottom Solder" at 10.797,121.696 h1.45
  text "Solder Resist" at 33.219,121.696 h1.45
  text "2.01mil" at 53.957,121.696 h1.45
  text "3.7" at 69.637,121.696 h1.45
  text "Bottom Overlay" at 10.797,118.806 h1.45
  text "Symbol" at 1.505,110.761 h1.77
  text "Count" at 13.956,110.761 h1.77
  text "Hole Size" at 28.704,110.761 h1.77
  text "Plated" at 55.481,110.761 h1.77
  text "Hole Type" at 67.932,110.761 h1.77
  text "Drill Layer Pair" at 85.979,110.761 h1.77
  text "Via/Pad" at 122.822,110.761 h1.77
  text "Pad Shape" at 137.335,110.761 h1.77
  text "Template" at 155.677,110.761 h1.77
  text "Description" at 171.663,110.761 h1.77
  text "Hole Tolerance (+)" at 192.657,110.761 h1.77
  text "Hole Tolerance (-)" at 225.435,110.761 h1.77
  text "Hole Length" at 258.213,110.761 h1.77
  text "Routed Path Length" at 279.501,110.761 h1.77
  text "44" at 13.956,107.077 h1.47
  text "39.37mil (1.000mm)" at 28.704,107.077 h1.47
  text "PTH" at 55.481,107.077 h1.47
  text "Round" at 67.932,107.077 h1.47
  text "Top Layer - Bottom Layer" at 85.979,107.077 h1.47
  text "Pad" at 122.822,107.077 h1.47
  text "(Mixed)" at 137.335,107.077 h1.47
  text "(Mixed)" at 155.677,107.077 h1.47
  text "-" at 258.213,107.077 h1.47
  text "-" at 279.501,107.077 h1.47
  text "890" at 13.956,103.394 h1.47
  text "7.87mil (0.200mm)" at 28.704,103.394 h1.47
  text "PTH" at 55.481,103.394 h1.47
  text "Round" at 67.932,103.394 h1.47
  text "Top Layer - Bottom Layer" at 85.979,103.394 h1.47
  text "Via" at 122.822,103.394 h1.47
  text "Rounded" at 137.335,103.394 h1.47
  text "(Mixed)" at 155.677,103.394 h1.47
  text "-" at 258.213,103.394 h1.47
  text "-" at 279.501,103.394 h1.47
  text "934 Total" at 13.956,99.71 h1.47
  text "mils" at 24.059,79.077 h2.54
  text "mils" at 35.112,79.077 h2.54

## Dimensions
0.296,17.489 to 0.296,-17.511 on M3-Top Dimensions
64.868,-17.511 to 0.296,-17.511 on M3-Top Dimensions

## Text inside footprints (layer, text, board x,y; h text height)
CN1: Bottom Overlay "1" at 56.416,13.619 h1.5; Bottom Assembly "1" at 56.416,13.619 h1.5
CN2: Bottom Overlay "1" at 56.416,-14.381 h1.5; Bottom Assembly "1" at 56.416,-14.381 h1.5
Designator1: Drill Drawing "X  TG-170" at 55.52,53.598 h3; Drill Drawing "TG-150" at 73.77,53.598 h3; Drill Drawing "TG-140" at 89.77,53.598 h3; Drill Drawing "GOLDEN FINGER" at 89.77,38.598 h3; Drill Drawing "IMMERSION TIN" at 89.77,41.598 h3; Drill Drawing "BLACK" at 89.77,47.598 h3; Drill Drawing "BLACK" at 73.77,44.598 h3; Drill Drawing "RED" at 73.77,47.598 h3; Drill Drawing "BLUE" at 55.52,47.598 h3; Drill Drawing "YELLOW" at 55.52,44.598 h3; Drill Drawing "IMMERSION SILVER" at 55.52,41.598 h3; Drill Drawing "HASL (PB-FREE)" at 55.52,38.598 h3; Drill Drawing "X  YES  (SEE IMPEDANCE TABLE FOR DETAIL INFORMATION)" at 55.52,35.598 h3; Drill Drawing "NON-CONDUCTIVE EPOXY." at 89.77,29.598 h3; Drill Drawing "X  SOLDERMASK" at 64.52,29.598 h3; Drill Drawing "H.   STACK-UP :" at 0.52,26.598 h3; Drill Drawing "SEE LAYER STACK-UP SEQUENCE FOR OVERALL THICKNESS." at 39.02,26.598 h3; Drill Drawing "F.   IMPEDANCE CONTROL :" at 0.52,35.598 h3; Drill Drawing "G.   THROUGH VIA :" at 0.52,32.598 h3; Drill Drawing "PLUG MATERIAL :" at 39.02,29.598 h3; Drill Drawing "PLUG THE VIAS WHICH ARE COVERED WITH SOLDERMASK ONE OR TWO SIDE." at 39.02,32.598 h3; Drill Drawing "NO" at 39.02,35.598 h3; Drill Drawing "HASL" at 39.02,38.598 h3; Drill Drawing "X  ENIG" at 39.02,41.598 h3; Drill Drawing "X  WHITE" at 39.02,44.598 h3; Drill Drawing "FR-4" at 39.02,53.598 h3; Drill Drawing "N/A" at 39.02,50.598 h3; Drill Drawing "X    GREEN" at 39.02,47.598 h3; Drill Drawing "E.   SURFACE FINISH :" at 0.52,41.598 h3; Drill Drawing "D.   SILKSCREEN COLOR :" at 0.52,44.598 h3; Drill Drawing "C.   SOLDERMASK COLOR :" at 0.52,47.598 h3; Drill Drawing "B.   MATERIAL FAMILY :" at 0.52,50.598 h3; Drill Drawing "A.   MATERIAL :" at 0.52,53.598 h3; Drill Drawing "PCB SPECIFICATIONS :" at 0.52,57.598 h3
Designator1: M20-Top Title Box "Project: '.Board_Name'" at 0.812,-35.427 h3; M20-Top Title Box "Rev: '.Board_PCB_Revision'" at 40.87,-50.511 h3; M20-Top Title Box "Ref: '.Board_Reference'" at 40.927,-45.511 h3; M20-Top Title Box "Date: '.Board_Document_Date'" at 0.812,-50.511 h3; M20-Top Title Box "R" at 86.308,-47.994 h1.52; M20-Top Title Box "Layer:" at 0.812,-40.511 h3; M20-Top Title Box "Gerber:" at 40.8,-40.511 h3; M20-Top Title Box "Variant: '.VariantName'" at 0.812,-45.511 h3; M21-Bottom Title Box "Variant: '.VariantName'" at 88.617,-45.511 h3; M21-Bottom Title Box "Gerber:" at 48.629,-40.511 h3; M21-Bottom Title Box "Layer:" at 88.617,-40.511 h3; M21-Bottom Title Box "R" at 3.502,-47.994 h1.52; M21-Bottom Title Box "Date: '.Board_Document_Date'" at 88.617,-50.511 h3; M21-Bottom Title Box "Ref: '.Board_Reference'" at 48.629,-45.511 h3; M21-Bottom Title Box "Rev: '.Board_PCB_Revision'" at 48.686,-50.511 h3; M21-Bottom Title Box "Project: '.Board_Name'" at 88.617,-35.427 h3
Designator16: Drill Drawing "IMPEDANCE TABLE" at 0.659,86.68 h3; Drill Drawing "LAYER" at 4.909,81.68 h3; Drill Drawing "TOP" at 0.659,75.18 h3; Drill Drawing "22.9" at 22.159,75.18 h3; Drill Drawing "TRACE" at 21.159,81.68 h3; Drill Drawing "SPACING" at 31.659,81.68 h3; Drill Drawing "5.9" at 34.732,75.284 h3; Drill Drawing "IMPEDANCE" at 45.159,81.68 h3; Drill Drawing "(Single ended)" at 45.659,78.93 h2.5; Drill Drawing "(Differentiel)" at 63.409,78.93 h2.5; Drill Drawing "IMPEDANCE" at 62.159,81.68 h3; Drill Drawing "TOL." at 80.909,81.68 h3; Drill Drawing "50 ohm" at 48.909,75.18 h3; Drill Drawing "NA" at 65.409,75.18 h3; Drill Drawing "+/- 10%" at 79.409,75.18 h3
J1: Top Overlay "1" at 4.314,12.18 h1.5 r270; Top Assembly "1" at 3.15,10.1 h1
J2: Top Overlay "1" at 4.314,-4.82 h1.5 r270; Top Assembly "1" at 3.15,-6.9 h1
U2: Top Overlay "K" at 32.156,-8.107 h1.1; Top Assembly "K" at 32.356,-8.007 h1
X3: Top Assembly "4" at 29.224,8.497 h1; Top Assembly "3" at 27.699,8.522 h1; Top Assembly "2" at 27.724,9.485 h1; Top Assembly "1" at 29.236,9.485 h1